# Altium PCB Localization.PcbDoc
Units mil, origin at the board's own origin, x right, y up, seen from the top; angles counter-clockwise.
Board outline 3937.01 x 3937.01 mil, 4 copper layers (Top Layer, GND, POWER, Bottom Layer), stack 23.756 mil thick; 107 components, 66 nets, 374 pads, 187 vias.
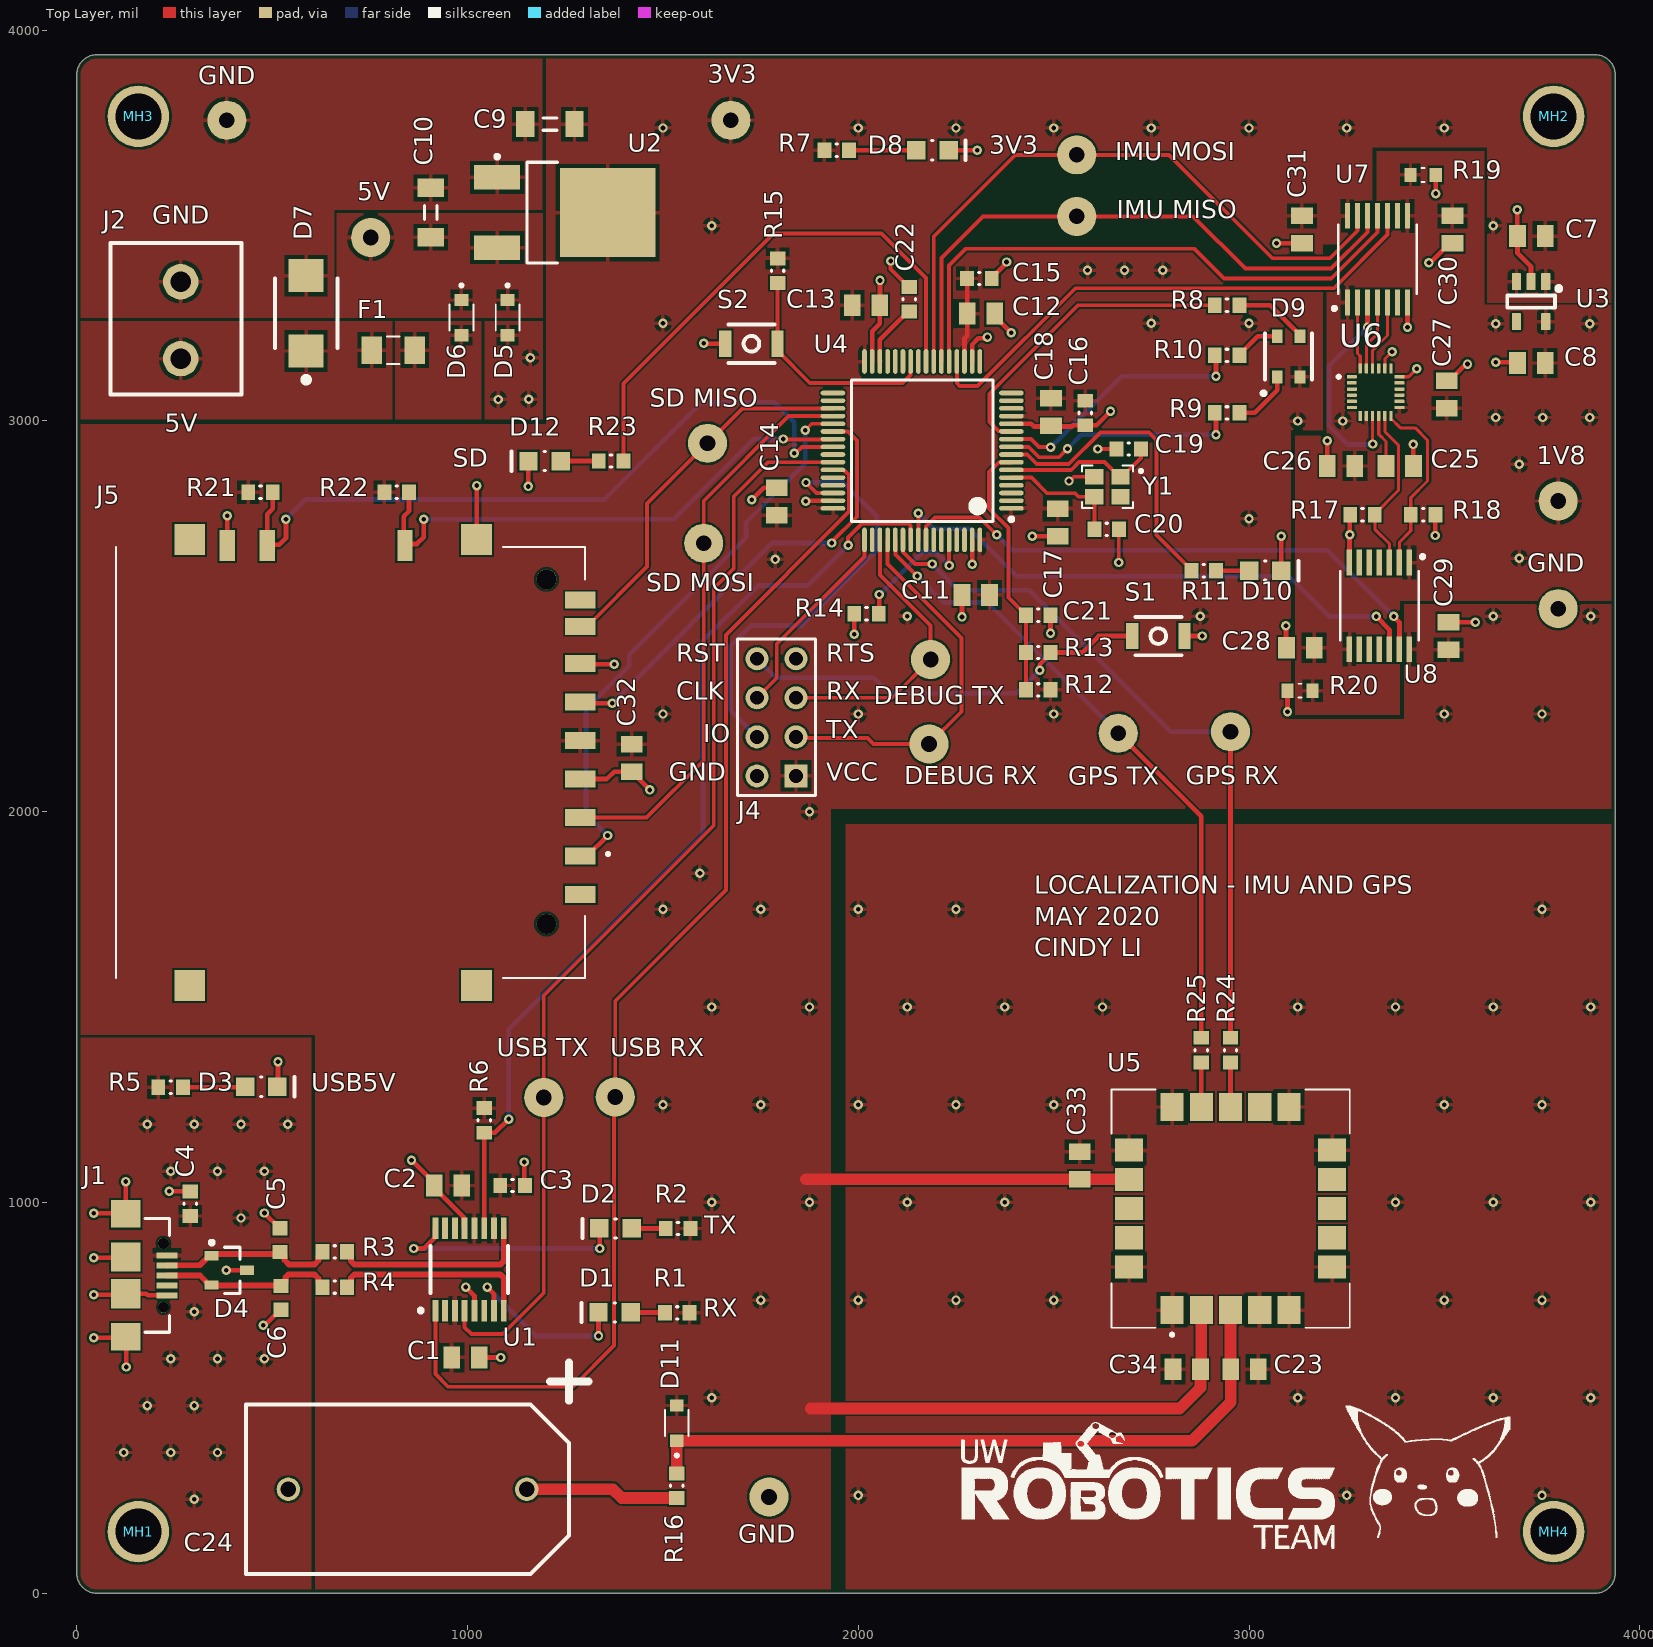
[diagram p0: Top Layer view]
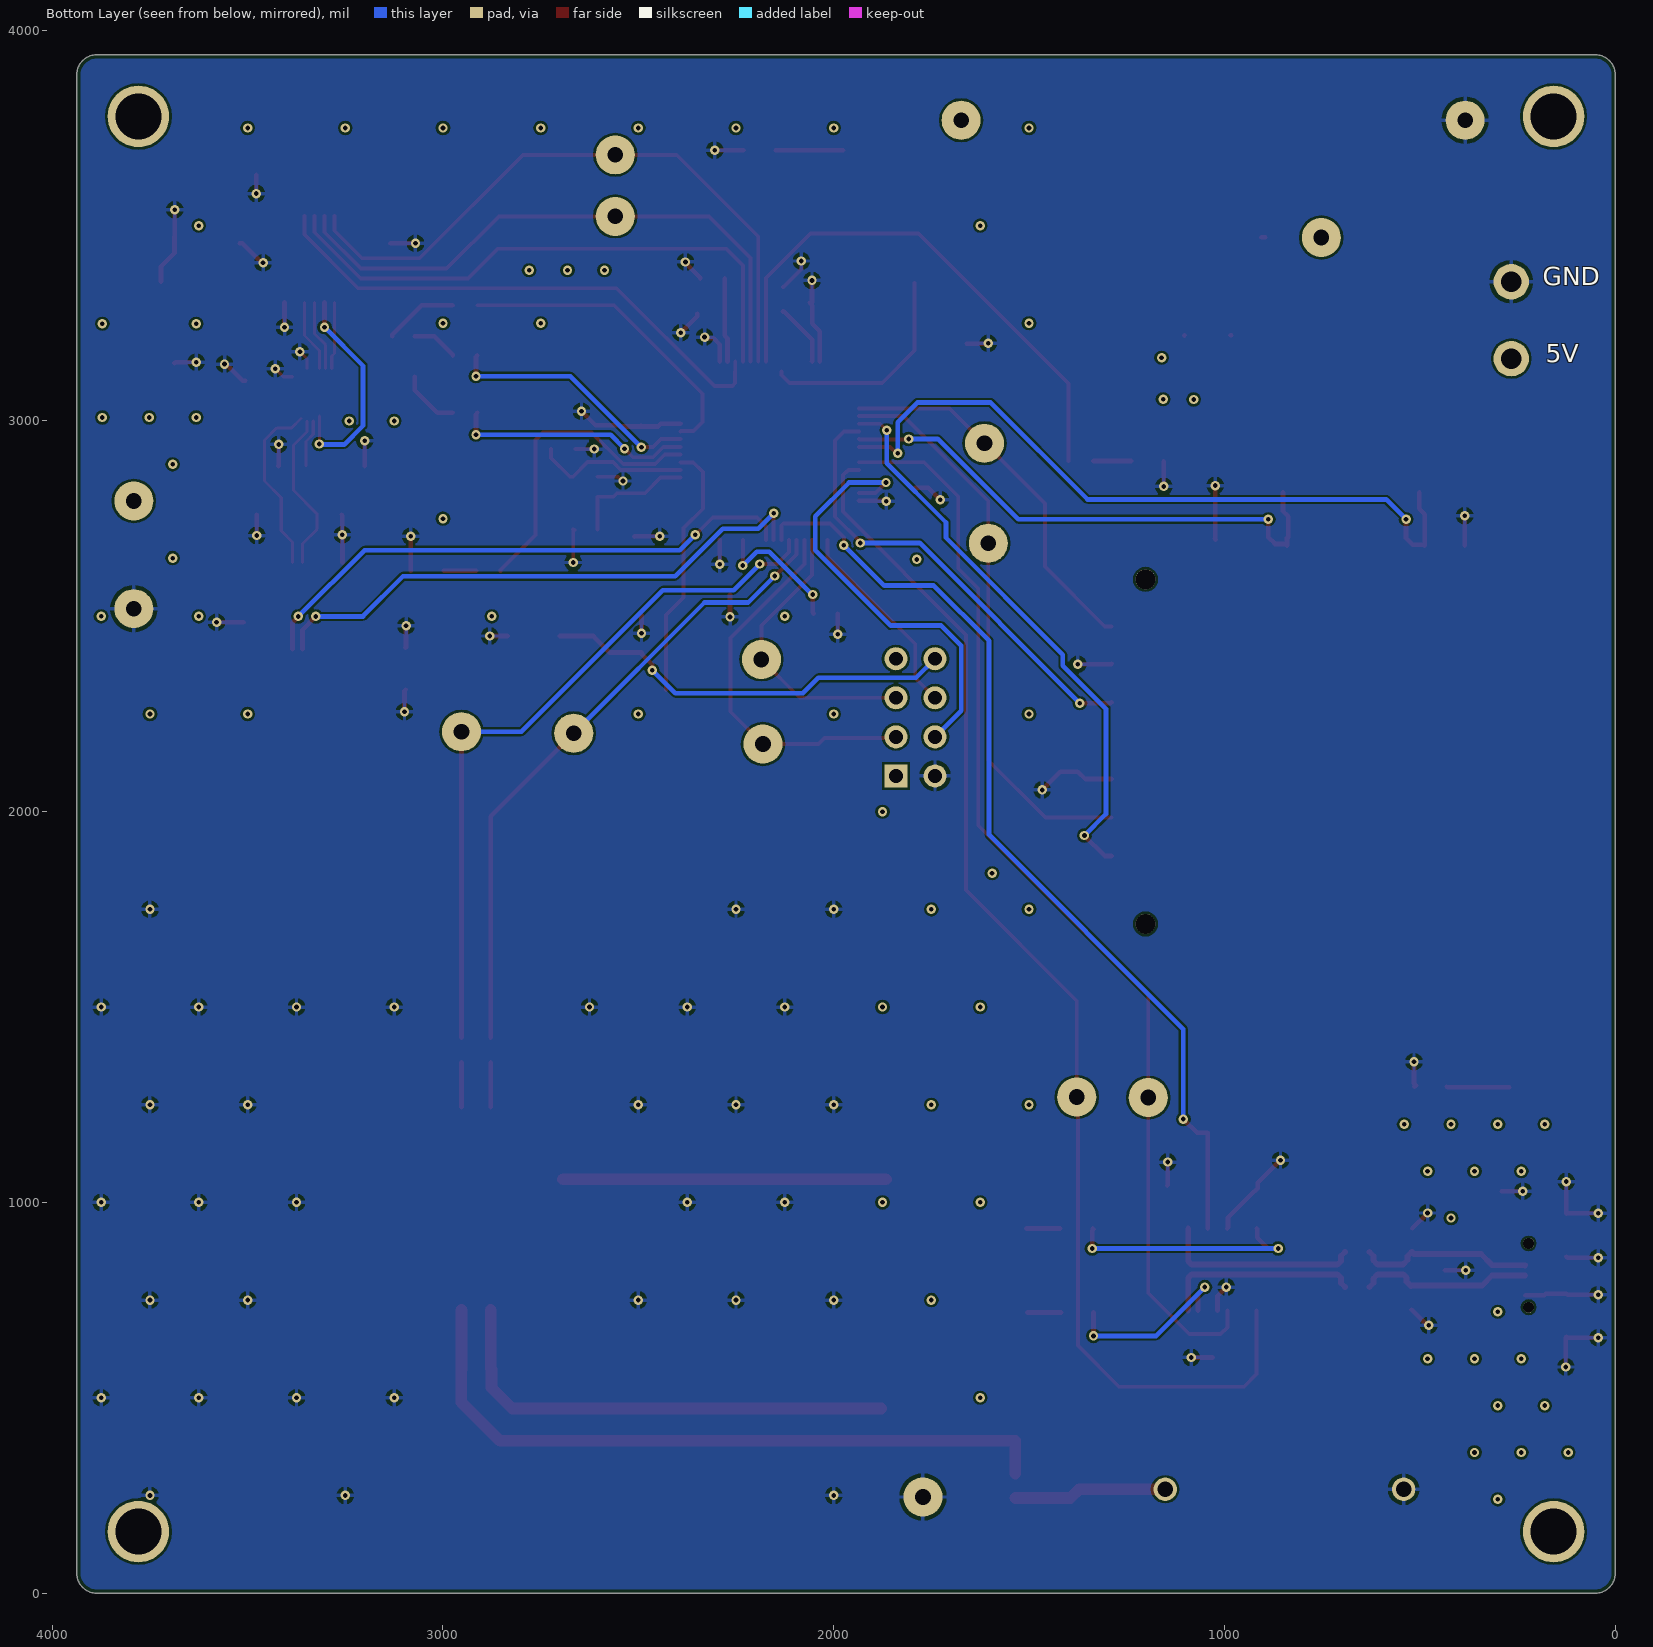
[diagram p1: Bottom Layer view, seen from below]
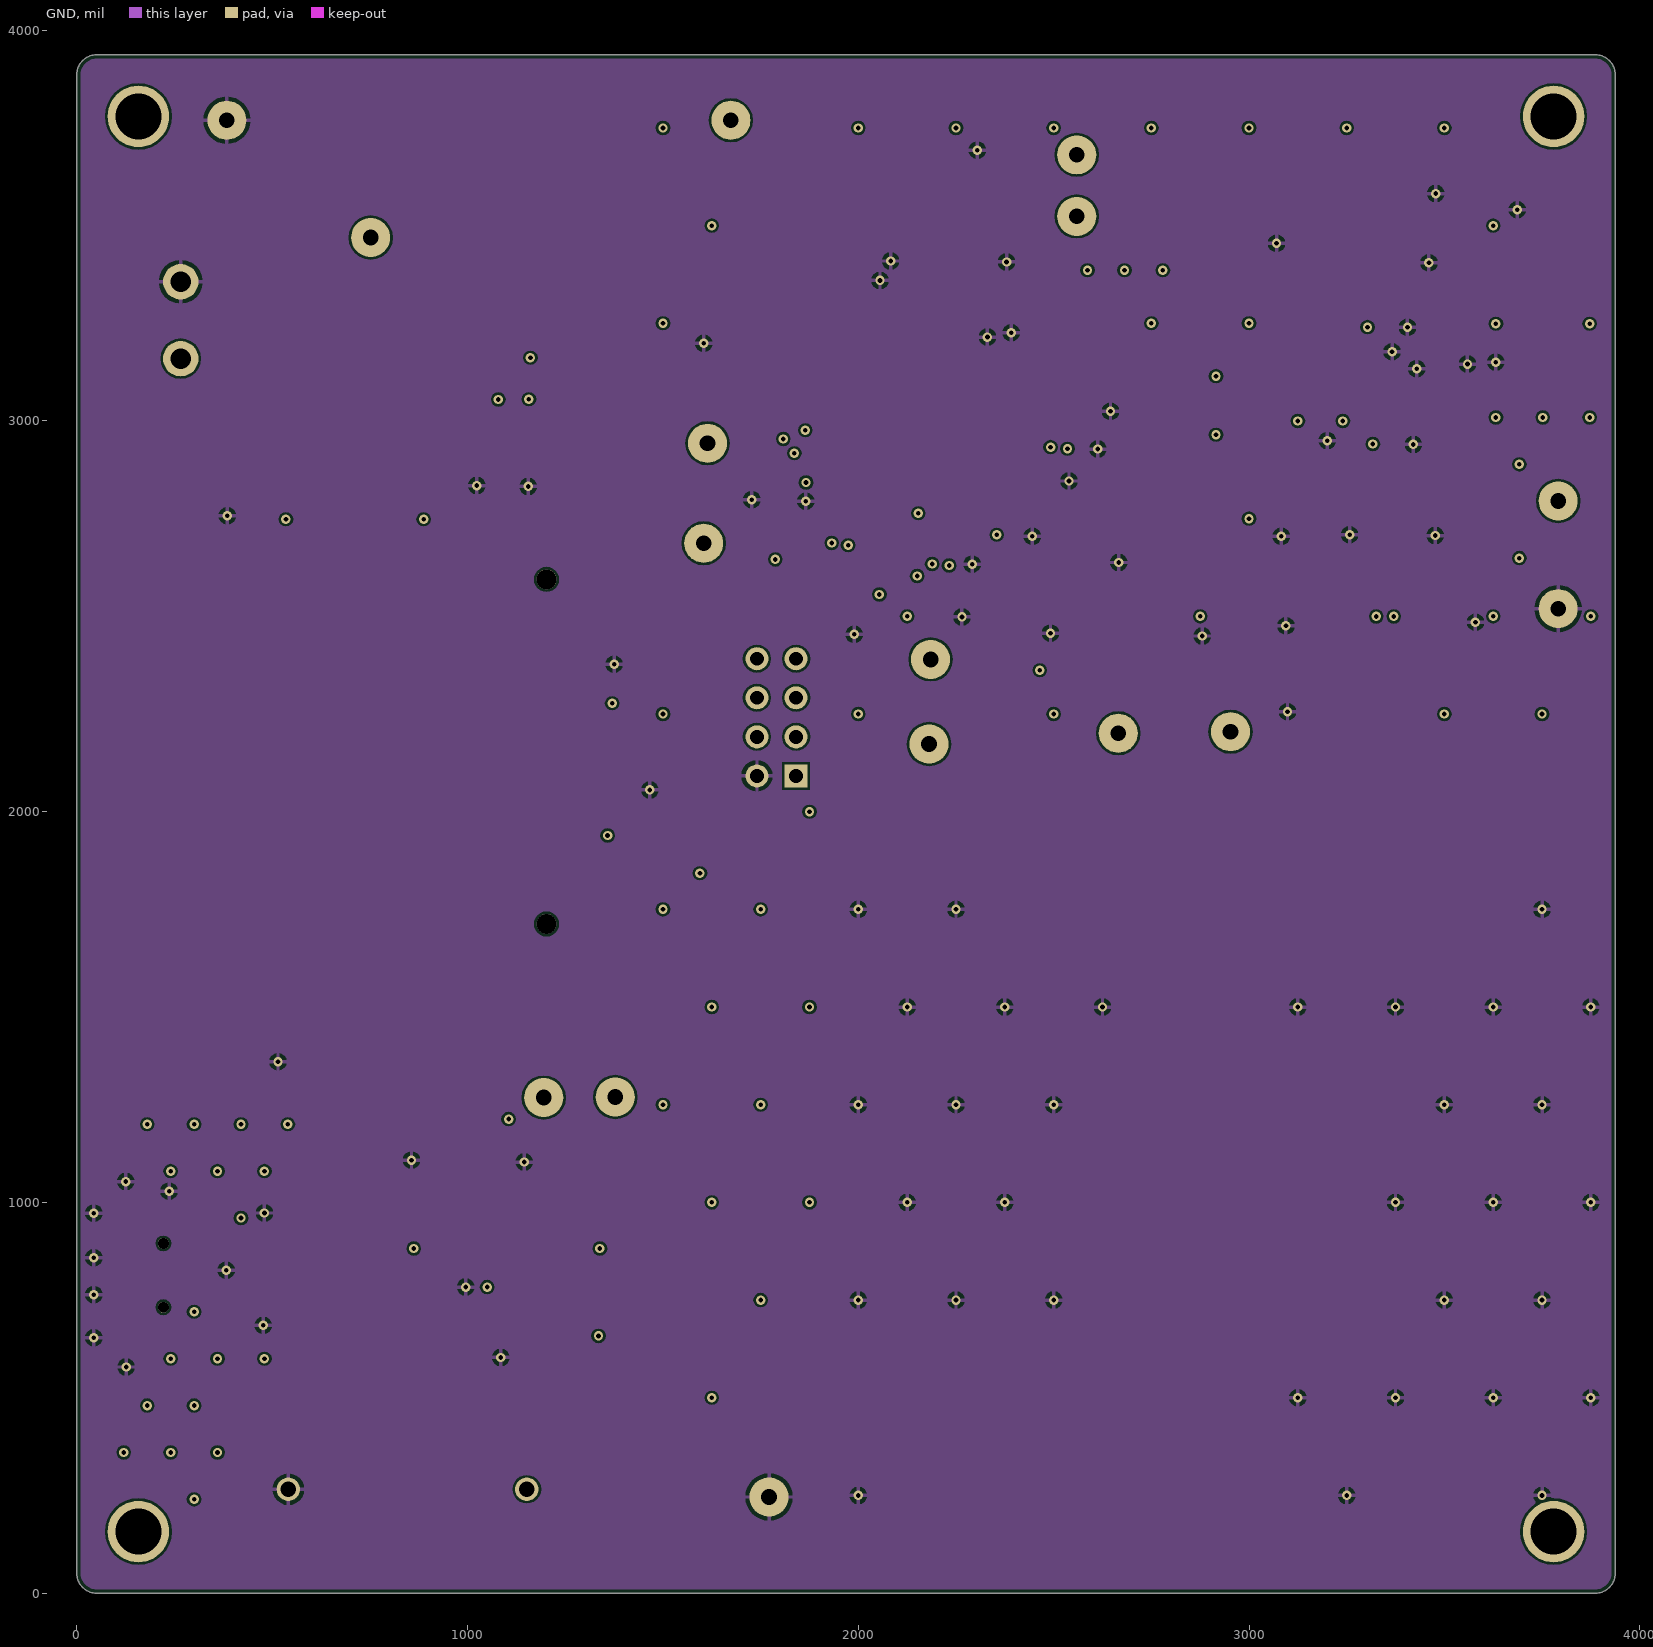
[diagram p2: GND]
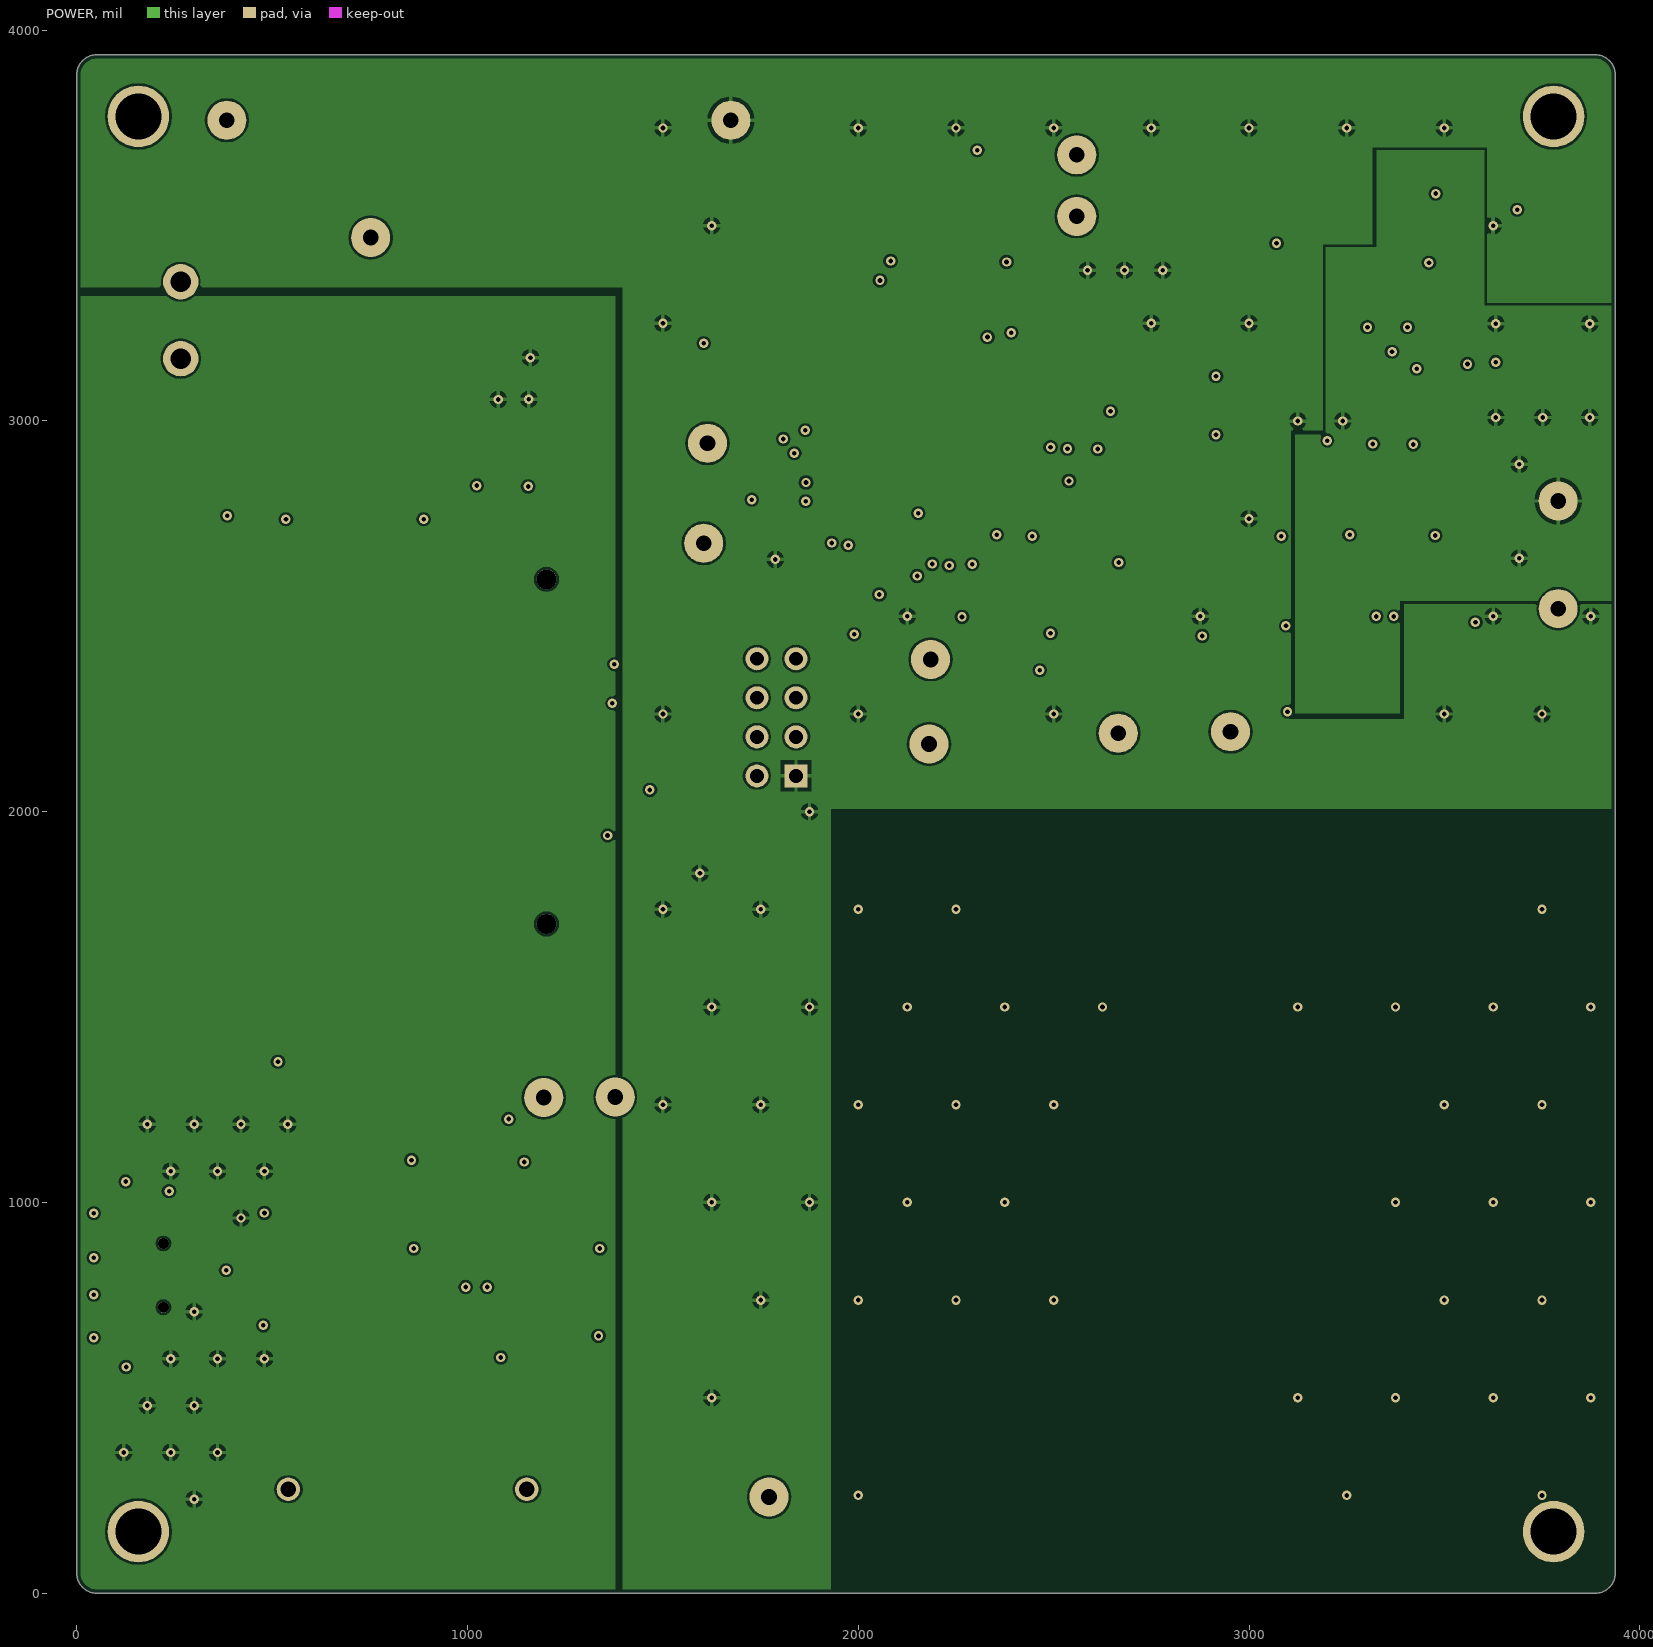
[diagram p3: POWER]
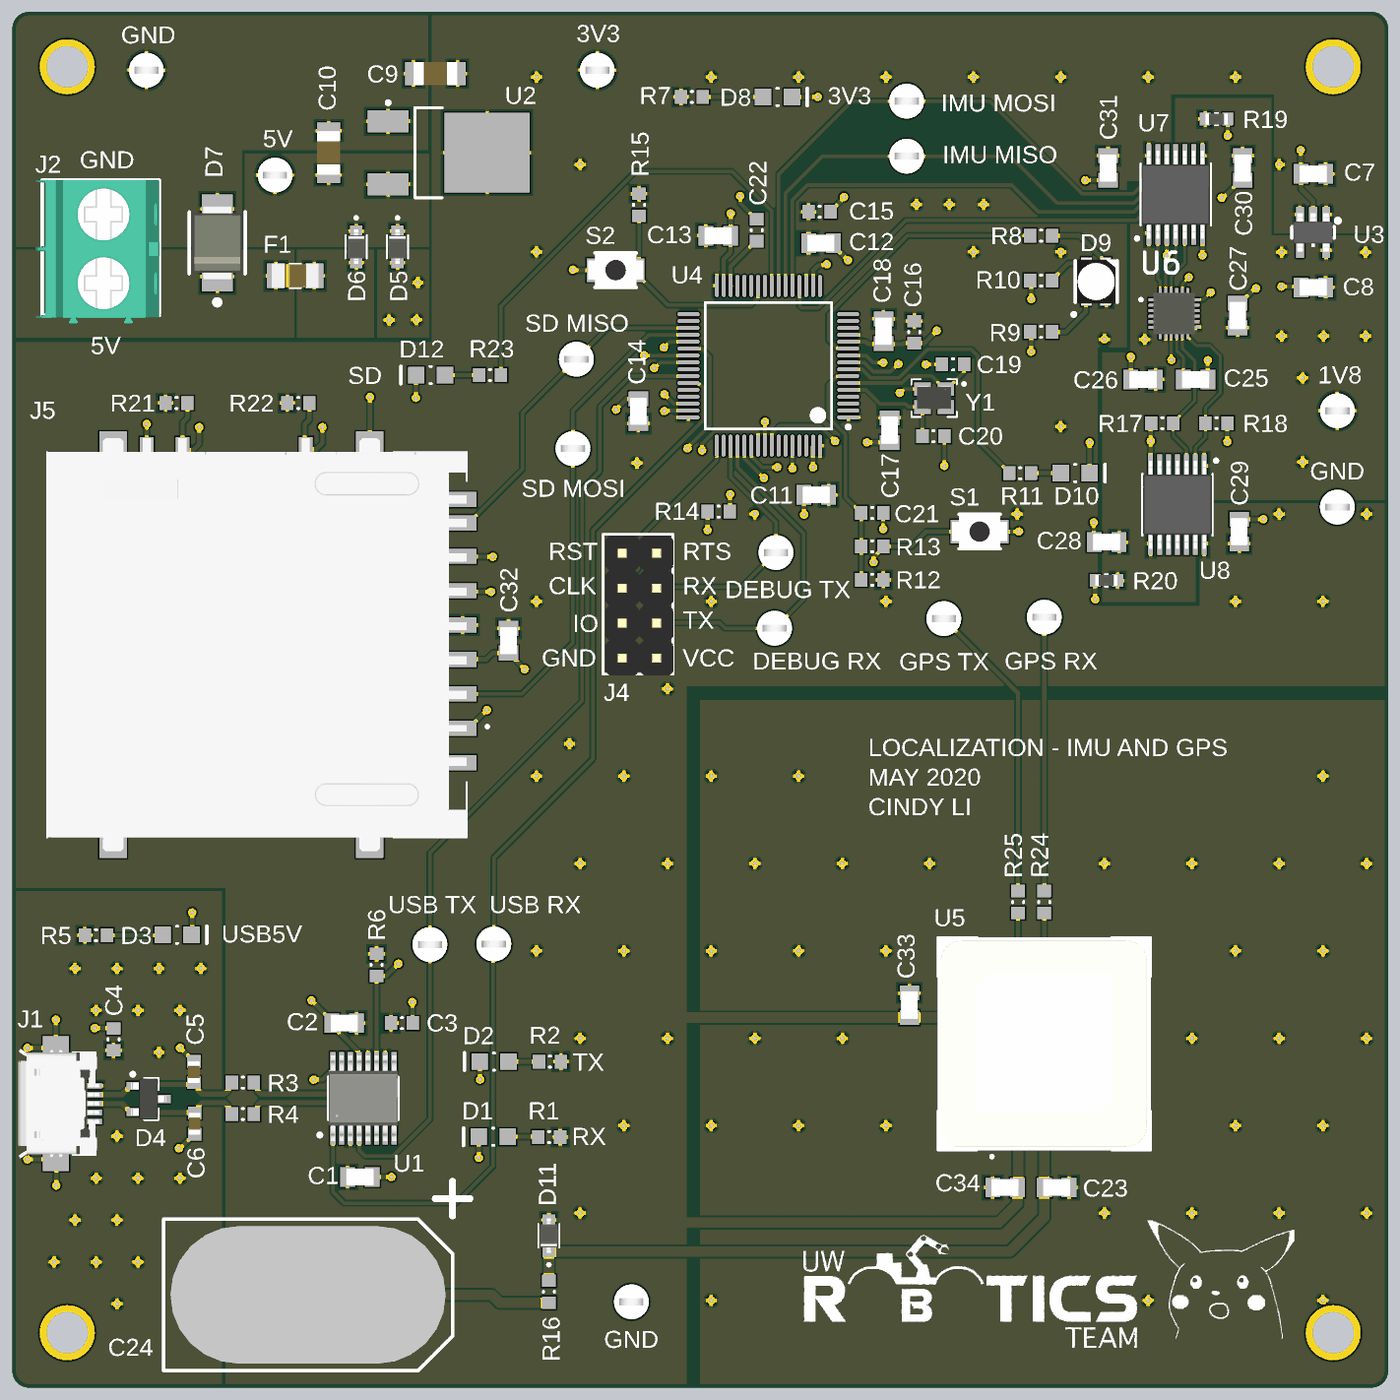
[diagram p4: 3D render of the assembled board from above, using the file's embedded part models]

## Layer stack, top to bottom
Top Solder: solder mask 0.4, Solder Resist, Dk 3.5
Top Layer: signal copper 1.4
Dielectric 2: prepreg 2.8, PP-006, Dk 4.1
GND: signal copper 1.378
Dielectric 1: dielectric 12.6, FR-4, Dk 4.8
POWER: signal copper 1.378
Dielectric 3: prepreg 2.8, PP-006, Dk 4.1
Bottom Layer: signal copper 1.4
Bottom Solder: solder mask 0.4, Solder Resist, Dk 3.5

## Board outline
0,50 0,3887.01 cw(c50,3887.01) 50,3937.01 3887.01,3937.01 cw(c3887.01,3887.01) 3937.01,3887.01 3937.01,50 cw(c3887.01,50) 3887.01,0 50,0 cw(c50,50)

## Design rules (kind name [scope] priority, off if disabled: settings)
AcuteAngle [All] p1: minimum=9.00000000000000E+0001 checktracksonly=TRUE
BoardOutlineClearance [All] p1: gap=10 ignorepadtopadclearanceinfootprint=FALSE
Clearance [All] p1: gap=6 ignorepadtopadclearanceinfootprint=FALSE except(5: Arc-Arc Arc-Track Arc-SMDPad Arc-Fill Arc-Poly Arc-Region Track-Track Track-SMDPad Track-Fill Track-Poly Track-Region SMDPad-SMDPad SMDPad-Fill SMDPad-Poly SMDPad-Region Fill-Fill Fill-Poly Fill-Region Poly-Poly Poly-Region Region-Region)
DiffPairsRouting [All] p1: maxlimit=10 minlimit=10 mostfreqgap=10 toplayer_minwidth=15 toplayer_maxwidth=15 toplayer_prefwidth=15 midlayer1_minwidth=15 midlayer1_maxwidth=15 midlayer1_prefwidth=15 midlayer2_minwidth=15 midlayer2_maxwidth=15 midlayer2_prefwidth=15 bottomlayer_minwidth=15 bottomlayer_maxwidth=15 bottomlayer_prefwidth=15 maxuncoupledlength=500
HoleSize [All] p1: absolutevalues=TRUE maxlimit=200 minlimit=12 maxpercent=80.000 minpercent=20.000
HoleToHoleClearance [All] p1: gap=6 allowstackedmicrovias=TRUE
MinimumAnnularRing [All] p1: minimumring=2
MinimumSolderMaskSliver [All] p1: minsoldermaskwidth=4
PolygonConnect [All] p1: connectstyle=Relief reliefconductorwidth=10 reliefentries=4 polygonreliefangle="90 Angle" airgapwidth=10
RoutingVias [All] p1: holewidth=28 width=50 viastyle="Through Hole" minholewidth=28 minwidth=50 maxholewidth=28 maxwidth=50
SilkToSilkClearance [All] p1: silktosilkclearance=4
SilkToSolderMaskClearance [IsPad] p1: minsilkscreentomaskgap=4 clearancetoexposedcopper=TRUE
SolderMaskExpansion [All] p1: expansion=4 istentingtop=FALSE
Width [All] p1: maxlimit=100 minlimit=5 preferedwidth=10 minimp=50.000000 maximp=50.000000 favimp=50.000000
24 further rules are at their usual default settings.

## Classes and differential pairs
component class USB: C1 C2 C3 C4 C5 C6 D1 D2 D3 D4 J1 R1 R2 R3 R4 R5 R6 U1
component class SD_CARD: C32 D12 J5 R21 R22 R23 "SD MISO" "SD MOSI"
component class Power: 1V8 5V C7 C8 C9 C10 D5 D6 D7 D8 F1 J2 R7 U2 U3
component class MCU: C11 C12 C13 C14 C15 C16 C17 C18 C19 C20 C21 C22 D9 D10 "DEBUG RX" "DEBUG TX" J4 MH1 MH2 MH3 MH4 R8 R9 R10 R11 R12 R13 R14 R15 S1 S2 U4 "USB RX" "USB TX" Y1
component class IMU: C25 C26 C27 C28 C29 C30 C31 "IMU MISO" "IMU MOSI" R17 R18 R19 R20 U6 U7 U8
component class GPS: C23 C24 C33 C34 D11 "GPS RX" "GPS TX" R16 R24 R25 U5
differential pair USBD: +USBD_P -USBD_N
differential pair USBD_R: +USBD_R_P -USBD_R_N

## Components (designator, comment, footprint, x,y, rotation, side; value= is the part's Value field where it differs from the comment)
1V8 "1V8" TESTPOINT_LOOP 3791.34,2795.28 r180 top (schematic designator TP4)
3V3 "3V3" TESTPOINT_LOOP 1673.86,3769.68 r180 top (schematic designator TP2)
5V "5V" TESTPOINT_LOOP 751.97,3469.49 r0 top (schematic designator TP1)
C1 "CAP_0.1uF_50V_0805" CAPC2012X140N 995,603.27 r180 top value=0.1uF
C2 "CAP_0.1uF_50V_0805" CAPC2012X140N 950.08,1043.27 r0 top value=0.1uF
C3 "CAP_4.7uF_0603" CAPC0603(1608)55_N 1115,1043.27 r0 top value=4.7uF
C4 "CAP_10nF_0603" CAPC0603(1608)55_N 290,996.77 r90 top value=10nF
C5 "CAP_47pF_100V_0603" CAPC1608X87N 520,903.27 r270 top value=47pF
C6 "CAP_47pF_100V_0603" CAPC1608X87N 522.02,755.73 r270 top value=47pF
C7 "CAP_0.1uF_50V_0805" CAPC2012X140N 3722.55,3473.19 r0 top value=0.1uF
C8 "CAP_0.1uF_50V_0805" CAPC2012X140N 3722.55,3148.39 r0 top value=0.1uF
C9 "10uF" CAPC1206(3216) 1210.63,3759.84 r0 top
C10 "10uF" CAPC1206(3216) 905.51,3533.46 r270 top
C11 "CAP_0.1uF_50V_0805" CAPC2012X140N 2300.5,2554.77 r0 top value=0.1uF
C12 "CAP_0.1uF_50V_0805" CAPC2012X140N 2313.77,3274.77 r180 top value=0.1uF
C13 "CAP_0.1uF_50V_0805" CAPC2012X140N 2019.79,3296.03 r180 top value=0.1uF
C14 "CAP_0.1uF_50V_0805" CAPC2012X140N 1791.45,2794.06 r270 top value=0.1uF
C15 "CAP_4.7uF_0603" CAPC0603(1608)55_N 2310.03,3364.77 r180 top value=4.7uF
C16 "CAP_1uF_16V_0603" CAPC0603(1608)55_N 2580.82,3020.44 r90 top value=1uF
C17 "CAP_0.1uF_50V_0805" CAPC2012X140N 2510.5,2739.77 r90 top value=0.1uF
C18 "CAP_0.1uF_50V_0805" CAPC2012X140N 2493,3023 r90 top value=0.1uF
C19 "CL10C140JB8NNNC" CAPC0603(1608)55_N 2691.93,2928.15 r0 top value=14pF
C20 "CL10C140JB8NNNC" CAPC0603(1608)55_N 2635.83,2722.44 r180 top value=14pF
C21 "CAP_4.7uF_0603" CAPC0603(1608)55_N 2460.5,2502.96 r180 top value=4.7uF
C22 "CAP_4.7uF_0603" CAPC0603(1608)55_N 2130.2,3311.83 r270 top value=4.7uF
C23 "CAP_0.1uF_50V_0805" CAPC2012X140N 2988.19,572.83 r180 top value=0.1uF
C24 "CAP_2.5F_5V" SCMS22C255PRBA0 846.46,265.75 r180 top
C25 "CAP_0.1uF_50V_0805" CAPC2012X140N 3385.74,2884.77 r0 top value=0.1uF
C26 "CAP_0.1uF_50V_0805" CAPC2012X140N 3235.5,2884.77 r0 top value=0.1uF
C27 "CAP_0.1uF_50V_0805" CAPC2012X140N 3506.01,3067.88 r270 top value=0.1uF
C28 "CAP_0.1uF_50V_0805" CAPC2012X140N 3131.29,2419.57 r0 top value=0.1uF
C29 "CAP_0.1uF_50V_0805" CAPC2012X140N 3510.5,2449.77 r270 top value=0.1uF
C30 "CAP_0.1uF_50V_0805" CAPC2012X140N 3520.5,3489.77 r90 top value=0.1uF
C31 "CAP_0.1uF_50V_0805" CAPC2012X140N 3135.34,3489.77 r90 top value=0.1uF
C32 "CAP_0.1uF_50V_0805" CAPC2012X140N 1420,2137.48 r90 top value=0.1uF
C33 "CAP_0.1uF_50V_0805" CAPC2012X140N 2566.93,1094.49 r270 top value=0.1uF
C34 "CAP_0.1uF_50V_0805" CAPC2012X140N 2840.55,572.83 r0 top value=0.1uF
D1 "DIO_LED_G" LED_0805_LINE 1376.34,718.27 r180 top
D2 "DIO_LED_Y" LED_0805_LINE 1378.66,933.27 r180 top
D3 "DIO_LED_R" LED_0805_LINE 471.89,1295.95 r0 top
D4 "TVS_DIODE_USB_5.5V" SOT23-3 390.24,826.24 r0 top
D5 "DIO_SCHOTTKY_30V_800mA" DIO_CUS520,H3F 1102.36,3264.41 r270 top
D6 "DIO_SCHOTTKY_30V_800mA" DIO_CUS520,H3F 984.25,3264.41 r270 top
D7 "TVS_DIODE_BIDIR_5V" TVS_DIODE_BIDIRECTIONAL 586.61,3275.59 r90 top
D8 "DIO_LED_G" LED_0805_LINE 2189.65,3693.11 r0 top
D9 "LED_RGB" LED_RGB 3101.18,3165 r0 top
D10 "DIO_LED_G" LED_0805_LINE 3041.45,2616.89 r0 top
D11 "DIO_SCHOTTKY_30V_800mA" DIO_CUS520,H3F 1535.43,434.92 r90 top
D12 "DIO_LED_G" LED_0805_LINE 1197.17,2897.48 r180 top
"DEBUG RX" "DEBUG_RX" TESTPOINT_LOOP 2181.1,2173.23 r180 top (schematic designator TP9)
"DEBUG TX" "DEBUG_TX" TESTPOINT_LOOP 2185.04,2389.76 r180 top (schematic designator TP8)
F1 "FUSE_1A_1206" FUSC3215X78N 809.84,3181.38 r0 top
GND "GND" TESTPOINT_LOOP 1771.65,246.06 r180 top (schematic designator TP7)
GND "GND" TESTPOINT_LOOP 3791.34,2519.68 r0 top (schematic designator TP6)
GND "GND" TESTPOINT_LOOP 383.86,3769.68 r180 top (schematic designator TP5)
"GPS RX" "GPS_RX" TESTPOINT_LOOP 2952.76,2204.72 r180 top (schematic designator TP12)
"GPS TX" "GPS_TX" TESTPOINT_LOOP 2665.35,2200.79 r180 top (schematic designator TP13)
"IMU MISO" "IMU_MISO" TESTPOINT_LOOP 2559.06,3523.62 r180 top (schematic designator TP15)
"IMU MOSI" "IMU_MOSI" TESTPOINT_LOOP 2559.06,3681.1 r180 top (schematic designator TP14)
J1 "629105136821" 629105136821 125,813.27 r270 top
J2 "CON_2M_TERM" 1935161 265.75,3257.87 r270 top
J4 "HEADER 4X2" HEADER_2X4 1840.62,2091.54 r90 top
J5 "SD_CARD_CON" HRS_DM1AA-SF-PEJ(21) 700,2157.48 r270 top
MH1 "MOUNTING_HOLES" MOUNTING_HOLE#1 157.48,157.48 r0 top
MH2 "MOUNTING_HOLES" MOUNTING_HOLE#2 3818.9,3818.9 r0 top
MH3 "MOUNTING_HOLES" MOUNTING_HOLE#1 157.48,3779.53 r0 top
MH4 "MOUNTING_HOLES" MOUNTING_HOLE#1 3779.53,157.48 r0 top
R1 "RES_1K_0603" RESC0603(1608)_N#1 1536.34,717.27 r0 top value=1K
R2 "RES_1K_0603" RESC0603(1608)_N#1 1538.66,933.27 r0 top value=1K
R3 "RES_27R_0603" RESC0603(1608)_N#1 660,873.27 r0 top
R4 "RES_27R_0603" RESC0603(1608)_N#1 660,783.27 r0 top
R5 "RES_1K_0603" RESC0603(1608)_N#1 239.84,1294.88 r180 top value=1K
R6 "RES_10K_0603" RESC0603(1608)_N#1 1042.5,1209.82 r90 top value=10K
R7 "RES_120R_0603" RESC0603(1608)_N#1 1944.65,3693.11 r180 top value=120
R8 "RES_20R_0603" RESC0603(1608)_N#1 2943.77,3296.31 r180 top value=20R
R9 "RES_120R_0603" RESC0603(1608)_N#1 2943.77,3020.72 r0 top value=120
R10 "RES_20R_0603" RESC0603(1608)_N#1 2943.77,3167.83 r180 top value=20R
R11 "RES_120R_0603" RESC0603(1608)_N#1 2883.97,2616.42 r0 top value=120
R12 "RES_10K_0603" RESC0603(1608)_N#1 2460.5,2311.78 r0 top value=10K
R13 "RES_1K_0603" RESC0603(1608)_N#1 2460.5,2407.37 r180 top value=1K
R14 "RES_10K_0603" RESC0603(1608)_N#1 2021,2506.79 r180 top value=10K
R15 "RES_10K_0603" RESC0603(1608)_N#1 1793.42,3384.61 r270 top value=10K
R16 "RES_1K_0603" RESC0603(1608)_N#1 1535.43,274.92 r270 top value=1K
R17 "RES_10K_0603" RESC0603(1608)_N#1 3290.5,2759.77 r0 top value=10K
R18 "RES_10K_0603" RESC0603(1608)_N#1 3445.5,2759.77 r180 top value=10K
R19 "RES_51K_0603" RESC1608X55N 3445.5,3629.77 r180 top value=51K
R20 "RES_51K_0603" RESC1608X55N 3130.5,2309.77 r0 top value=51K
R21 "RES_10K_0603" RESC0603(1608)_N#1 470,2817.48 r180 top value=10K
R22 "RES_10K_0603" RESC0603(1608)_N#1 818.5,2817.48 r180 top value=10K
R23 "RES_120R_0603" RESC0603(1608)_N#1 1367.17,2897.48 r180 top value=120
R24 "RES_120R_0603" RESC0603(1608)_N#2 2952.76,1358.27 r90 top value=120
R25 "RES_120R_0603" RESC0603(1608)_N#2 2877.95,1358.27 r90 top value=120
S1 "SW_TACTILE" B3U-1100P 2767.83,2449.57 r180 top
S2 "SW_TACTILE" B3U-1100P 1726.49,3197.6 r180 top
"SD MISO" "SD_MISO" TESTPOINT_LOOP 1614.17,2942.91 r0 top (schematic designator TP17)
"SD MOSI" "SD_MOSI" TESTPOINT_LOOP 1604.33,2687.01 r0 top (schematic designator TP16)
U1 "IC_USB_TRANSCEIVER" SSOP16-0.635-5X4MM 1005,828.27 r0 top
U2 "5V0_3V3_LDO" VOLTAGE_REGULATOR 1185.43,3533.46 r270 top
U3 "LDO_1.8V_250mA" LP5907MFX-1.8/NOPB 3721.92,3305.55 r270 top
U4 "STM32F446RET6" STM-LQFP64_L 2163.49,2923.98 r180 top
U5 "SAM-M8Q" XCVR_SAM-M8Q 2952.76,984.25 r90 top
U6 "IC_9DOF_IMU" ICM-20948 3324.02,3073.82 r0 top
U7 "TXB0104PWR" PW14 3328.85,3414.14 r90 top
U8 "TXB0104PWR" PW14 3333.85,2526.66 r270 top
"USB RX" "USB_RX" TESTPOINT_LOOP 1377.95,1269.68 r0 top (schematic designator TP11)
"USB TX" "USB_TX" TESTPOINT_LOOP 1195,1268.27 r0 top (schematic designator TP10)
Y1 "CRYSTAL_25MHZ" SOIC254P1016X440-4N 2637.64,2831.61 r180 top
